# KiCad board data-center-rdimm-ddr5-tester.kicad_pcb (continued)
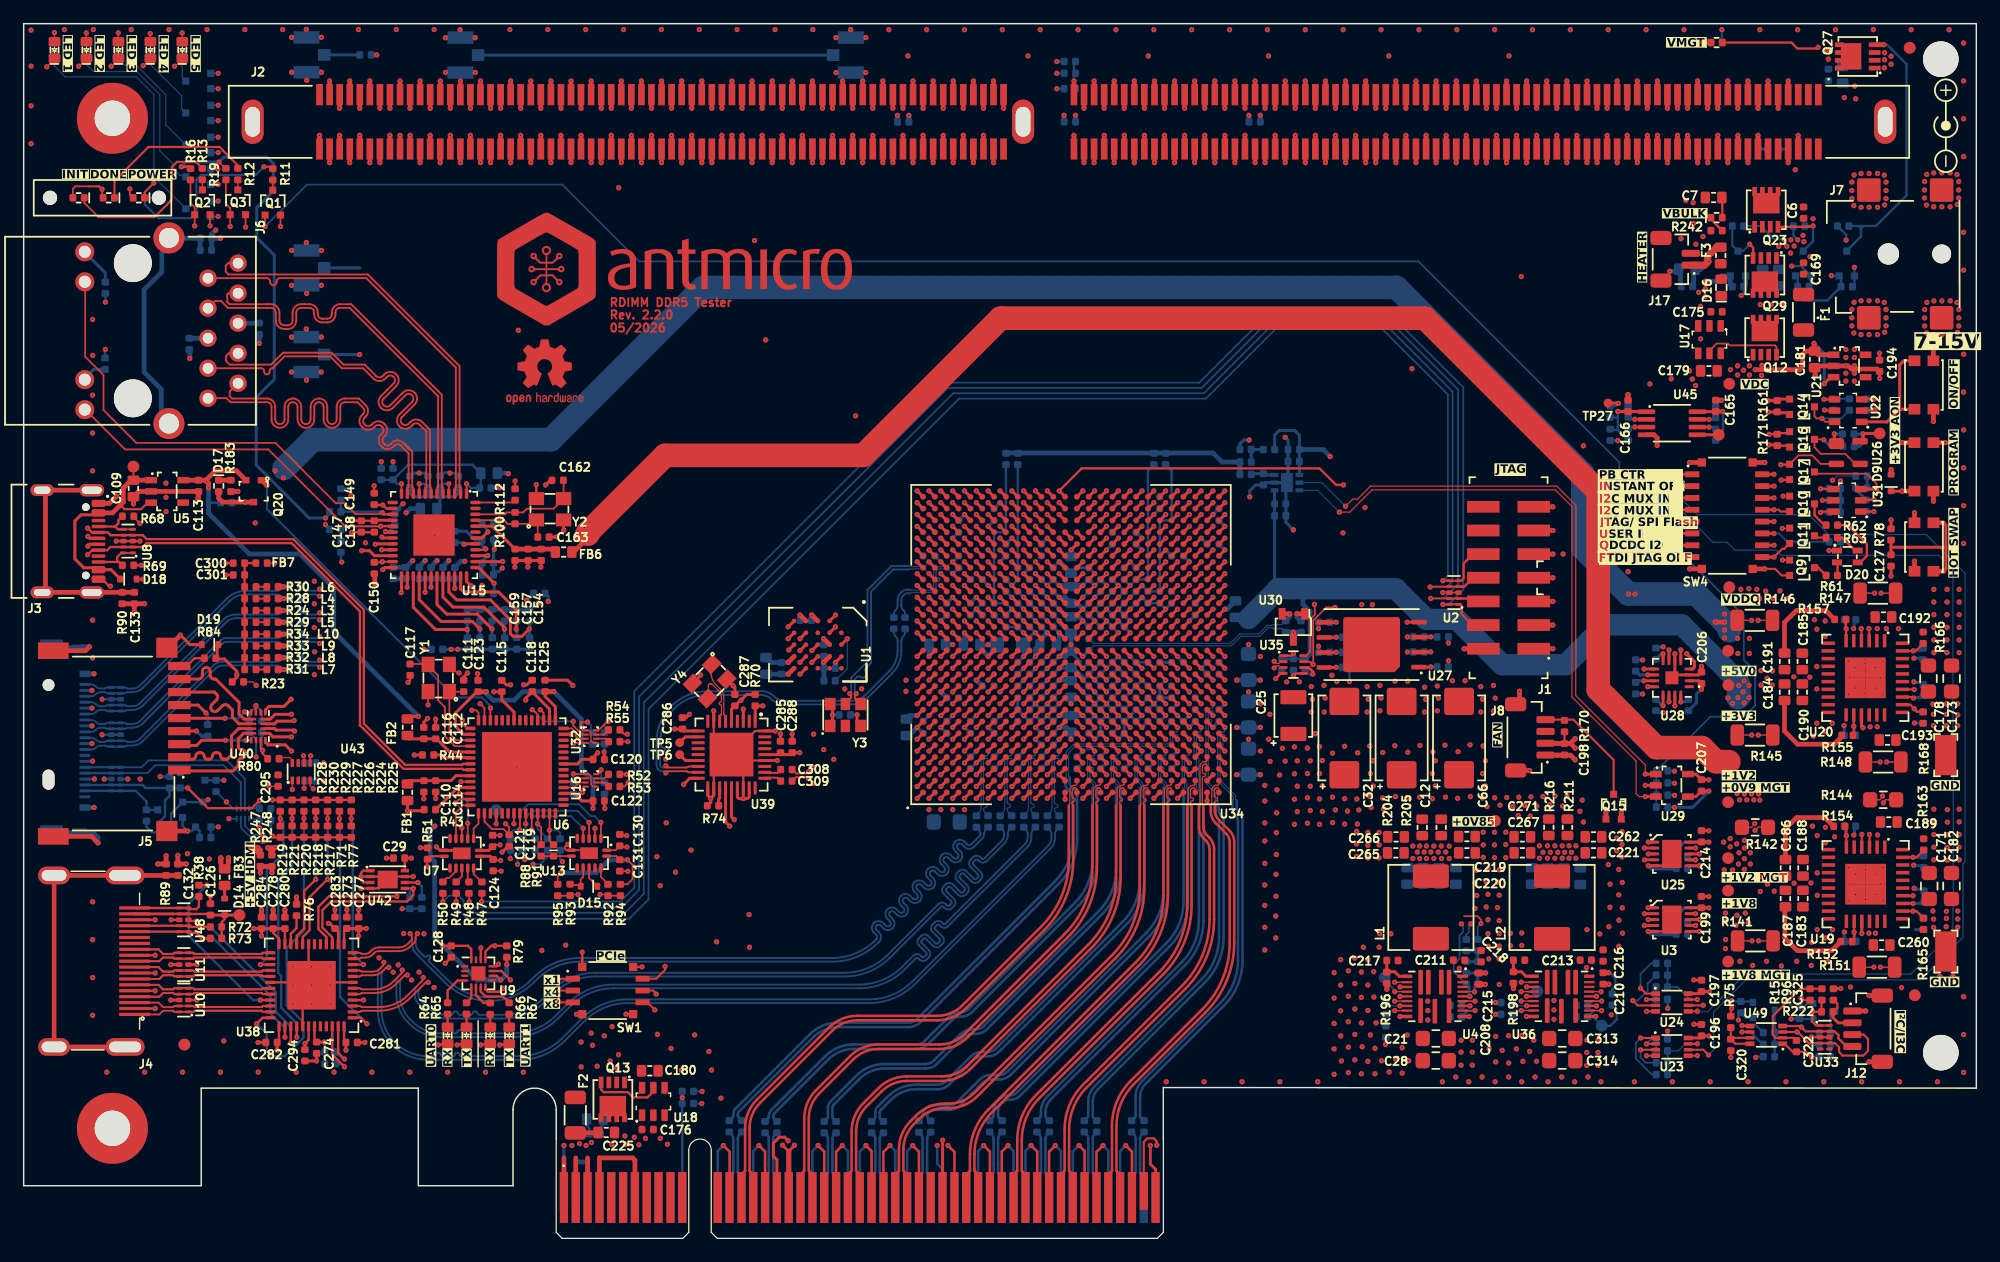
[diagram p0: board, top side]
## Routing (per net, layer and track width the routed paths; a pad name or vN(x,y) marks a point on that pad's centre or on a via; arc(x,y) is an arc through that point) (continued)
/DDR5 RDIMM/B.CB7: length 60.6
  Top w0.256: U34.P21 v1(89.5,58.2)
  Top w0.38: 69.2,92.1 v1(69.2,90.95)
  In6.Cu w0.148: 69.2,90.95 69.2,88.82 72.6,85.42 79.78,85.42 80.01,85.19 arc(80.14,84.87) 80.01,84.55 79.97,84.51 arc(79.84,84.19) 79.97,83.88 arc(80.29,83.74) 80.61,83.88 80.65,83.91 arc(80.97,84.05) 81.29,83.91 arc(81.42,83.6) 81.29,83.28 81.25,83.24 arc(81.12,82.92) 81.25,82.6 arc(81.57,82.47) 81.88,82.6 81.92,82.64 arc(82.24,82.77) 82.56,82.64 arc(82.69,82.32) 82.56,82.01 82.52,81.97 arc(82.39,81.65) 82.52,81.33 arc(82.84,81.2) 83.16,81.33 83.19,81.37 arc(83.51,81.5) 83.83,81.37 arc(83.96,81.05) 83.83,80.73 83.79,80.69 arc(83.66,80.38) 83.79,80.06 arc(84.11,79.93) 84.43,80.06 84.47,80.1 arc(84.79,80.23) 85.1,80.1 arc(85.24,79.78) 85.1,79.46 85.07,79.42 arc(84.93,79.1) 85.07,78.79 arc(85.38,78.65) 85.7,78.79 85.74,78.82 arc(86.06,78.96) 86.38,78.82 arc(86.51,78.51) 86.38,78.19 86.34,78.15 arc(86.21,77.83) 86.34,77.51 arc(86.66,77.38) 86.97,77.51 87.01,77.55 arc(87.33,77.68) 87.65,77.55 arc(87.78,77.23) 87.65,76.91 87.61,76.88 arc(87.48,76.56) 87.61,76.24 arc(87.93,76.11) 88.25,76.24 88.29,76.28 arc(88.6,76.41) 88.92,76.28 arc(89.05,75.96) 88.92,75.64 88.88,75.6 arc(88.75,75.29) 88.88,74.97 arc(89.2,74.84) 89.52,74.97 89.56,75.01 arc(89.88,75.14) 90.19,75.01 arc(90.33,74.69) 90.19,74.37 90.16,74.33 arc(90.02,74.01) 90.16,73.69 arc(90.47,73.56) 90.79,73.69 90.83,73.73 arc(91.15,73.86) 91.47,73.73 92,73.2 92,58.9 91.8,58.7 90,58.7 v1(89.5,58.2)
/DDR5 RDIMM/B.CS0_c: length 65
  Top w0.256: U34.T24 v1(91.5,61.2)
  Top w0.38: 76,96.7 v1(76,95.55)
  In9.Cu w0.1: v1(76,95.55) 76,95.55 75.5,95.05 75.5,92.62 76,92.12 76,90.45 74.6,89.05 69.4,89.05 66.4,86.05 66.4,79.95 71.7,74.65 71.7,68.3 74.5,65.5 84.36,65.5 86.01,63.85 86.01,59.98 86.29,59.7 89.33,59.7 90.33,60.7 U34.T24 v1(91.5,61.2)
/DDR5 RDIMM/B.CS1_c: length 64.8
  Top w0.256: U34.U24 v1(92.5,61.2)
  Top w0.38: J2.229 v1(75.15,90.95)
  In9.Cu w0.1: v1(75.15,90.95) 73.99,89.78 68.63,89.78 65.25,86.4 65.25,79.66 70.79,74.12 70.79,67.26 73.39,64.66 84.07,64.66 85,63.73 85,59.07 85.38,58.7 89.71,58.7 90.01,59 90.01,59.46 90.25,59.7 91.78,59.7 92,59.92 U34.U24 v1(92.5,61.2)
/DDR5 RDIMM/B.DQ0: length 75.1
  Top w0.256: U34.M21 v1(86.5,58.2)
  Top w0.38: J2.100 v1(62.4,95.55)
  In2.Cu w0.148: v1(86.5,58.2) 86.97,58.67 86.97,59.35 87.32,59.7 87.53,59.7 88.5,60.67 88.5,63.88 88.39,63.99 88.39,67.56 74.15,81.8 73.48,81.8 arc(73.15,81.66) 73.01,81.34 arc(72.88,81.01) 72.55,80.87 72.53,80.87 arc(72.2,81.01) 72.06,81.34 arc(71.93,81.66) 71.6,81.8 71.58,81.8 arc(71.25,81.66) 71.11,81.34 arc(70.98,81.01) 70.65,80.87 70.63,80.87 arc(70.3,81.01) 70.16,81.34 arc(70.03,81.66) 69.7,81.8 69.68,81.8 arc(69.35,81.66) 69.21,81.34 arc(69.08,81.01) 68.75,80.87 68.73,80.87 arc(68.4,81.01) 68.26,81.34 arc(68.13,81.66) 67.8,81.8 67.78,81.8 arc(67.45,81.66) 67.31,81.34 arc(67.18,81.01) 66.85,80.87 66.83,80.87 arc(66.5,81.01) 66.36,81.34 arc(66.23,81.66) 65.9,81.8 65.88,81.8 arc(65.55,81.66) 65.41,81.34 arc(65.28,81.01) 64.95,80.87 64.93,80.87 arc(64.6,81.01) 64.46,81.34 arc(64.33,81.66) 64,81.8 63.98,81.8 arc(63.65,81.66) 63.51,81.34 arc(63.38,81.01) 63.05,80.87 63.03,80.87 arc(62.7,81.01) 62.56,81.34 arc(62.43,81.66) 62.1,81.8 61.4,81.8 56.18,87.02 56.18,92.05 55.97,92.25 55.97,93.87 57,94.9 57,96.2 57.75,96.95 61.45,96.95 62.4,96 v1(62.4,95.55)
/DDR5 RDIMM/B.DQ1: length 75.7
  Top w0.256: U34.M20 v1(86.5,57.2)
  Top w0.38: 60.7,96.7 v1(60.7,95.55)
  In2.Cu w0.148: v1(86.5,57.2) 87,57.7 87.68,57.7 88.03,58.05 88.03,59.29 88.95,60.22 88.95,68.4 78.26,79.09 arc(78.17,79.32) 78.26,79.55 78.79,80.07 arc(78.88,80.3) 78.79,80.53 arc(78.56,80.62) 78.33,80.53 77.8,80 arc(77.58,79.91) 77.35,80 arc(77.25,80.23) 77.35,80.46 77.87,80.99 arc(77.96,81.22) 77.87,81.45 arc(77.64,81.54) 77.41,81.45 76.89,80.92 arc(76.66,80.83) 76.43,80.92 arc(76.33,81.15) 76.43,81.38 76.95,81.91 arc(77.04,82.14) 76.95,82.37 arc(76.72,82.46) 76.49,82.37 75.97,81.84 arc(75.74,81.75) 75.51,81.84 arc(75.41,82.07) 75.51,82.3 76.03,82.83 arc(76.13,83.06) 76.03,83.29 arc(75.8,83.38) 75.57,83.29 75.05,82.76 arc(74.82,82.67) 74.59,82.76 74.4,82.95 61.75,82.95 56.7,88 56.7,92.02 57.6,92.92 57.6,95.8 58,96.2 60.5,96.2 60.7,96 v1(60.7,95.55)
/DDR5 RDIMM/B.DQ2: length 72.8
  Top w0.256: U34.J19 v1(83.5,56.2)
  Top w0.38: 61.55,92.1 v1(61.55,90.95)
  In2.Cu w0.148: v1(83.5,56.2) 83,55.7 83,55.07 83.35,54.72 83.68,54.72 84.03,54.38 84.03,54.11 84.39,53.75 87.88,53.75 88.82,54.7 91.68,54.7 92.03,55.05 92.03,58.4 92.3,58.67 92.7,58.67 93,58.97 93,70.88 84.55,79.32 84.55,84.57 80.15,88.97 63.5,88.97 61.55,90.92 61.55,90.95
/DDR5 RDIMM/B.DQ3: length 74.3
  Top w0.256: U34.J20 v1(83.5,57.2)
  Top w0.38: J2.247 v1(59.85,93.25)
  In2.Cu w0.148: v1(59.85,93.25) 60.8,92.3 60.8,89.85 62.82,87.82 79.55,87.82 79.7,87.67 arc(79.79,87.46) 79.7,87.25 79.48,87.03 arc(79.4,86.82) 79.48,86.61 arc(79.7,86.52) 79.91,86.61 80.12,86.83 arc(80.34,86.91) 80.55,86.83 83.32,84.05 83.32,79.2 92,70.52 92,58.97 91.75,58.72 91.2,58.72 91.03,58.55 91.03,55.96 90.82,55.75 89.03,55.75 87.97,54.7 84.35,54.7 84.03,55.02 84.03,56.68 v1(83.5,57.2)
/DDR5 RDIMM/B.DQ4: length 75.7
  Top w0.256: U34.K21 v1(84.5,58.2)
  Top w0.38: 56.45,96.7 v1(56.45,95.55)
  In2.Cu w0.148: v1(56.45,95.55) 55.3,94.4 55.3,92.3 55,92 55,89.7 54.5,89.2 54.5,84.2 60.75,77.95 75.35,77.95 77.15,76.15 arc(77.27,75.85) 77.15,75.55 74.87,73.26 arc(74.74,72.96) 74.87,72.66 arc(75.17,72.54) 75.47,72.66 77.75,74.95 arc(78.05,75.07) 78.35,74.95 arc(78.48,74.65) 78.35,74.35 77.09,73.09 arc(76.97,72.79) 77.09,72.49 arc(77.39,72.36) 77.69,72.49 78.95,73.75 arc(79.25,73.87) 79.55,73.75 87,66.3 87,61.14 86.56,60.7 85.44,60.7 85,60.26 85,59.1 84.5,58.6 v1(84.5,58.2)
/DDR5 RDIMM/B.DQ5: length 75.7
  Top w0.256: U34.K20 v1(84.5,57.2)
  Top w0.38: J2.109 v1(54.75,95.55)
  In2.Cu w0.148: v1(84.5,57.2) 83.95,57.75 83.95,60.21 84.54,60.8 84.67,60.8 85,61.14 85,62.3 85.5,62.8 85.7,62.8 86,63.1 86,66.01 80.36,71.66 74.59,71.66 73.48,72.77 arc(73.36,73.07) 73.48,73.37 74.72,74.6 arc(74.84,74.91) 74.72,75.21 arc(74.42,75.33) 74.12,75.21 72.88,73.97 arc(72.58,73.85) 72.28,73.97 arc(72.15,74.27) 72.28,74.57 73.51,75.81 arc(73.64,76.11) 73.51,76.41 arc(73.21,76.53) 72.91,76.41 71.68,75.17 arc(71.38,75.05) 71.08,75.17 arc(70.95,75.47) 71.08,75.77 71.5,76.2 arc(71.62,76.5) 71.5,76.8 arc(71.2,76.92) 70.9,76.8 70.48,76.37 arc(70.18,76.25) 69.88,76.37 69.6,76.65 60.15,76.65 53.5,83.3 53.5,89.2 54.3,90 54.3,92.05 54,92.35 54,94.8 54.75,95.55
/DDR5 RDIMM/B.DQ6: length 75.6
  Top w0.256: U34.L20 v1(85.5,57.2)
  Top w0.38: J2.252 v1(55.6,90.95)
  In2.Cu w0.148: v1(85.5,57.2) 85,57.7 85,58.3 85.4,58.7 85.7,58.7 86,59 86,59.5 86.2,59.7 86.7,59.7 88.05,61.05 88.05,63.57 87.75,63.88 87.75,66.95 74.85,79.85 74.5,79.85 arc(74.23,79.74) 74.12,79.47 74.12,79.22 arc(74.02,78.96) 73.75,78.85 arc(73.48,78.96) 73.38,79.22 73.38,79.47 arc(73.27,79.74) 73,79.85 arc(72.73,79.74) 72.62,79.47 72.62,79.22 arc(72.52,78.96) 72.25,78.85 arc(71.98,78.96) 71.88,79.22 71.88,79.47 arc(71.77,79.74) 71.5,79.85 arc(71.23,79.74) 71.12,79.47 71.12,79.22 arc(71.02,78.96) 70.75,78.85 arc(70.48,78.96) 70.38,79.22 70.38,79.47 arc(70.27,79.74) 70,79.85 arc(69.73,79.74) 69.62,79.47 69.62,79.22 arc(69.52,78.96) 69.25,78.85 arc(68.98,78.96) 68.88,79.22 68.88,79.47 arc(68.77,79.74) 68.5,79.85 arc(68.23,79.74) 68.12,79.47 68.12,79.22 arc(68.02,78.96) 67.75,78.85 arc(67.48,78.96) 67.38,79.22 67.38,79.47 arc(67.27,79.74) 67,79.85 arc(66.73,79.74) 66.62,79.47 66.62,79.22 arc(66.52,78.96) 66.25,78.85 arc(65.98,78.96) 65.88,79.22 65.88,79.47 arc(65.77,79.74) 65.5,79.85 arc(65.23,79.74) 65.12,79.47 65.12,79.22 arc(65.02,78.96) 64.75,78.85 arc(64.48,78.96) 64.38,79.22 64.38,79.47 arc(64.27,79.74) 64,79.85 arc(63.73,79.74) 63.62,79.47 63.62,79.22 arc(63.52,78.96) 63.25,78.85 arc(62.98,78.96) 62.88,79.22 62.88,79.47 arc(62.77,79.74) 62.5,79.85 61.65,79.85 61.35,80.15 arc(61.08,80.26) 60.82,80.15 60.69,80.03 arc(60.43,79.92) 60.16,80.03 arc(60.05,80.29) 60.16,80.56 60.29,80.68 arc(60.4,80.95) 60.29,81.21 arc(60.02,81.32) 59.76,81.21 59.63,81.09 arc(59.37,80.98) 59.1,81.09 arc(58.99,81.35) 59.1,81.62 59.23,81.74 arc(59.34,82.01) 59.23,82.27 arc(58.96,82.38) 58.7,82.27 58.57,82.15 arc(58.31,82.04) 58.04,82.15 arc(57.93,82.41) 58.04,82.68 58.17,82.8 arc(58.28,83.07) 58.17,83.33 arc(57.9,83.44) 57.64,83.33 57.51,83.21 arc(57.25,83.1) 56.98,83.21 arc(56.87,83.47) 56.98,83.74 57.11,83.86 arc(57.22,84.13) 57.11,84.39 arc(56.84,84.5) 56.58,84.39 56.45,84.27 arc(56.19,84.16) 55.92,84.27 arc(55.81,84.53) 55.92,84.8 56.05,84.92 arc(56.16,85.19) 56.05,85.45 55.6,85.9 55.6,90.95
/DDR5 RDIMM/B.DQ7: length 75.5
  Top w0.256: U34.J21 v1(83.5,58.2)
  Top w0.38: 53.9,92.1 v1(53.9,90.95)
  In2.Cu w0.148: v1(83.5,58.2) 83,58.7 83,60.3 83.5,60.8 83.75,60.8 84,61.05 84,62.32 84.38,62.7 84.7,62.7 85,63 85,65.67 80.44,70.24 73.91,70.24 68.75,75.4 63.9,75.4 arc(63.55,75.25) 63.4,74.9 63.4,71.5 arc(63.25,71.14) 62.9,71 arc(62.55,71.14) 62.4,71.5 62.4,74.9 arc(62.25,75.25) 61.9,75.4 arc(61.55,75.25) 61.4,74.9 61.4,71.5 arc(61.25,71.14) 60.9,71 arc(60.55,71.14) 60.4,71.5 60.4,74.9 arc(60.25,75.25) 59.9,75.4 59.65,75.4 52,83.05 52,89.05 53.9,90.95
/DDR5 RDIMM/B.DQ8: length 70.8
  Top w0.256: U34.M26 v1(86.5,63.2)
  Top w0.38: 53.05,96.7 v1(53.05,95.55)
  In6.Cu w0.148: v1(86.5,63.2) 86.5,66.2 85.03,67.67 70.28,67.67 69.47,66.88 65.8,66.88 60.57,72.1 60.57,74.4 arc(60.7,74.71) 61.01,74.84 arc(61.32,74.97) 61.45,75.27 61.45,75.3 arc(61.32,75.61) 61.01,75.74 arc(60.7,75.87) 60.57,76.17 60.57,76.2 arc(60.7,76.51) 61.01,76.64 arc(61.32,76.77) 61.45,77.07 61.45,77.1 arc(61.32,77.41) 61.01,77.54 arc(60.7,77.67) 60.57,77.97 60.57,78 arc(60.7,78.31) 61.01,78.44 arc(61.32,78.57) 61.45,78.87 61.45,78.9 arc(61.32,79.21) 61.01,79.34 arc(60.7,79.47) 60.57,79.77 60.57,91.7 61.5,92.62 61.5,95.95 60.7,96.75 53.62,96.75 53.05,96.17 v1(53.05,95.55)
/DDR5 RDIMM/B.DQ9: length 70.7
  Top w0.256: U34.M25 v1(86.5,62.2)
  Top w0.38: J2.113 v1(51.35,95.55)
  In6.Cu w0.148: 51.35,95.55 52.55,94.35 56.74,94.35 59.28,91.81 59.28,90.2 arc(59.15,89.9) 58.84,89.77 arc(58.54,89.64) 58.41,89.34 58.41,88.85 arc(58.54,88.55) 58.84,88.42 arc(59.15,88.29) 59.28,87.99 59.28,87.5 arc(59.15,87.2) 58.84,87.07 arc(58.54,86.94) 58.41,86.64 58.41,86.15 arc(58.54,85.85) 58.84,85.72 arc(59.15,85.59) 59.28,85.29 59.28,84.8 arc(59.15,84.5) 58.84,84.37 arc(58.54,84.24) 58.41,83.94 58.41,83.45 arc(58.54,83.15) 58.84,83.02 arc(59.15,82.89) 59.28,82.59 59.28,82.1 arc(59.15,81.8) 58.84,81.67 arc(58.54,81.54) 58.41,81.24 58.41,80.75 arc(58.54,80.45) 58.84,80.32 arc(59.15,80.19) 59.28,79.89 59.28,79.4 arc(59.15,79.1) 58.84,78.97 arc(58.54,78.84) 58.41,78.54 58.41,78.05 arc(58.54,77.75) 58.84,77.62 arc(59.15,77.49) 59.28,77.19 59.28,76.7 arc(59.15,76.4) 58.84,76.27 arc(58.54,76.14) 58.41,75.84 58.41,75.35 arc(58.54,75.05) 58.84,74.92 arc(59.15,74.79) 59.28,74.49 59.28,71.97 65.28,65.97 70.5,65.97 71.32,66.8 84.75,66.8 86,65.55 86,63.1 86.5,62.6 v1(86.5,62.2)
/DDR5 RDIMM/B.DQ10: length 69.3
  Top w0.256: U34.K26 v1(84.5,63.2)
  Top w0.38: J2.256 v1(52.2,90.95)
  In6.Cu w0.148: v1(84.5,63.2) 84.5,64.2 83.75,64.95 73.25,64.95 72.25,63.95 63.55,63.95 54.04,73.46 54.04,74.56 arc(54.18,74.9) 54.51,75.03 55.28,75.03 arc(55.62,75.17) 55.76,75.51 arc(55.62,75.85) 55.28,75.98 54.51,75.98 arc(54.18,76.12) 54.04,76.46 arc(54.18,76.8) 54.51,76.93 55.28,76.93 arc(55.62,77.07) 55.76,77.41 arc(55.62,77.75) 55.28,77.88 54.51,77.88 arc(54.18,78.02) 54.04,78.36 arc(54.18,78.7) 54.51,78.83 55.28,78.83 arc(55.62,78.97) 55.76,79.31 arc(55.62,79.65) 55.28,79.78 54.51,79.78 arc(54.18,79.92) 54.04,80.26 arc(54.18,80.6) 54.51,80.73 55.28,80.73 arc(55.62,80.87) 55.76,81.21 arc(55.62,81.55) 55.28,81.68 54.51,81.68 arc(54.18,81.82) 54.04,82.16 arc(54.18,82.5) 54.51,82.63 55.28,82.63 arc(55.62,82.77) 55.76,83.11 arc(55.62,83.45) 55.28,83.58 54.51,83.58 arc(54.18,83.72) 54.04,84.06 54.04,89.11 52.2,90.95
/DDR5 RDIMM/B.DQ11: length 69.5
  Top w0.256: U34.K25 v1(84.5,62.2)
  Top w0.38: J2.258 v1(50.5,90.95)
  In6.Cu w0.148: v1(84.5,62.2) 84,62.7 84,63.7 83.65,64.05 73.78,64.05 72.68,62.95 62.93,62.95 52.76,73.11 52.76,83.03 arc(52.63,83.35) 52.31,83.48 51.15,83.48 arc(50.83,83.61) 50.7,83.93 arc(50.83,84.25) 51.15,84.38 52.31,84.38 arc(52.63,84.51) 52.76,84.83 arc(52.63,85.15) 52.31,85.28 51.15,85.28 arc(50.83,85.41) 50.7,85.73 arc(50.83,86.05) 51.15,86.18 52.31,86.18 arc(52.63,86.31) 52.76,86.63 arc(52.63,86.95) 52.31,87.08 51.15,87.08 arc(50.83,87.21) 50.7,87.53 arc(50.83,87.85) 51.15,87.98 52.31,87.98 arc(52.63,88.11) 52.76,88.43 52.76,88.69 51.85,89.6 arc(51.64,89.69) 51.43,89.6 51.31,89.49 arc(51.1,89.4) 50.89,89.49 arc(50.8,89.7) 50.89,89.92 51,90.03 arc(51.09,90.24) 51,90.45 50.5,90.95
/DDR5 RDIMM/B.DQ12: length 71.9
  Top w0.256: U34.J24 v1(83.5,61.2)
  Top w0.38: J2.118 v1(47.1,95.55)
  In6.Cu w0.148: 47.1,95.55 47.1,94.77 47.85,94.02 47.85,92.52 47.1,91.77 47.1,88.32 48.06,87.36 48.06,87 arc(47.94,86.7) 47.63,86.57 47.62,86.57 arc(47.32,86.45) 47.2,86.15 arc(47.32,85.85) 47.62,85.72 47.63,85.72 arc(47.94,85.6) 48.06,85.3 arc(47.94,85) 47.63,84.87 47.62,84.87 arc(47.32,84.75) 47.2,84.45 arc(47.32,84.15) 47.62,84.02 47.63,84.02 arc(47.94,83.9) 48.06,83.6 arc(47.94,83.3) 47.63,83.17 47.62,83.17 arc(47.32,83.05) 47.2,82.75 arc(47.32,82.45) 47.62,82.32 47.63,82.32 arc(47.94,82.2) 48.06,81.9 arc(47.94,81.6) 47.63,81.47 47.62,81.47 arc(47.32,81.35) 47.2,81.05 arc(47.32,80.75) 47.62,80.62 47.63,80.62 arc(47.94,80.5) 48.06,80.2 arc(47.94,79.9) 47.63,79.77 47.62,79.77 arc(47.32,79.65) 47.2,79.35 arc(47.32,79.05) 47.62,78.92 47.63,78.92 arc(47.94,78.8) 48.06,78.5 arc(47.94,78.2) 47.63,78.07 47.62,78.07 arc(47.32,77.95) 47.2,77.65 arc(47.32,77.35) 47.62,77.22 47.63,77.22 arc(47.94,77.1) 48.06,76.8 48.06,76.58 50.23,74.41 50.23,71.24 60.78,60.7 83,60.7 v1(83.5,61.2)
/DDR5 RDIMM/B.DQ13: length 71.7
  Top w0.256: U34.K23 v1(84.5,60.2)
  Top w0.38: 45.4,96.7 v1(45.4,95.55)
  In6.Cu w0.148: v1(84.5,60.2) 83.9,59.6 83.9,59.03 83.56,58.7 59.18,58.7 44.95,72.92 44.95,89.8 45.35,90.2 45.35,91.57 44.55,92.37 44.55,93.82 45.4,94.67 45.4,95.55
/DDR5 RDIMM/B.DQ14: length 71.8
  Top w0.256: U34.J23 v1(83.5,60.2)
  Top w0.38: J2.263 v1(46.25,90.95)
  In6.Cu w0.148: 46.25,90.95 46.25,76.77 arc(46.35,76.52) 46.6,76.42 47.05,76.42 arc(47.3,76.32) 47.4,76.07 arc(47.3,75.82) 47.05,75.72 46.6,75.72 arc(46.35,75.62) 46.25,75.37 arc(46.35,75.12) 46.6,75.02 47.05,75.02 arc(47.3,74.92) 47.4,74.67 arc(47.3,74.42) 47.05,74.32 46.6,74.32 arc(46.35,74.22) 46.25,73.97 46.25,73.4 46.5,73.14 arc(46.81,73.02) 47.11,73.15 47.11,73.14 48.34,74.38 arc(48.64,74.51) 48.94,74.38 arc(49.07,74.08) 48.94,73.78 48.83,73.66 arc(48.72,73.42) 48.83,73.17 49.04,72.96 arc(49.14,72.71) 49.04,72.46 arc(48.79,72.36) 48.54,72.46 48.33,72.67 arc(48.08,72.78) 47.84,72.67 47.71,72.54 arc(47.58,72.24) 47.71,71.94 59.95,59.7 83,59.7 v1(83.5,60.2)
/DDR5 RDIMM/B.DQ15: length 71.6
  Top w0.256: U34.K22 v1(84.5,59.2)
  Top w0.38: 44.55,92.1 v1(44.55,90.95)
  In6.Cu w0.148: 44.55,90.95 42.68,89.08 42.68,88.45 arc(42.8,88.14) 43.11,88.01 arc(43.42,87.89) 43.55,87.58 43.55,84.95 arc(43.42,84.64) 43.11,84.51 arc(42.8,84.39) 42.68,84.08 42.68,81.45 arc(42.8,81.14) 43.11,81.01 arc(43.42,80.89) 43.55,80.58 43.55,77.95 arc(43.42,77.64) 43.11,77.51 arc(42.8,77.39) 42.68,77.08 42.68,73.4 58.38,57.7 83.8,57.7 84,57.9 84,58.4 84.5,58.9 v1(84.5,59.2)
/DDR5 RDIMM/B.DQ16: length 74.3
  Top w0.256: U34.H23 v1(82.5,60.2)
  Top w0.38: J2.122 v1(43.7,95.55)
  In4.Cu w0.148: v1(43.7,95.55) 44.69,94.56 44.69,92.64 45.47,91.85 45.47,90.2 46.32,89.35 74.59,89.35 86,77.94 86,60.95 85.75,60.7 83,60.7 v1(82.5,60.2)
/DDR5 RDIMM/B.DQ17: length 70.4
  Top w0.256: U34.J25 v1(83.5,62.2)
  Top w0.38: J2.124 v1(42,95.55)
  In4.Cu w0.148: v1(42,95.55) 42.57,94.97 42.57,92.2 42,91.62 42,90.4 45.87,86.53 57.61,86.53 arc(57.78,86.6) 57.85,86.77 arc(57.92,86.94) 58.09,87.01 59.56,87.01 arc(59.73,86.94) 59.8,86.77 arc(59.87,86.6) 60.04,86.53 61.2,86.53 61.77,87.1 72.43,87.1 84.05,75.48 84.05,62.55 83.7,62.2 v1(83.5,62.2)
/DDR5 RDIMM/B.DQ18: length 74.3
  Top w0.256: U34.H24 v1(82.5,61.2)
  Top w0.38: J2.267 v1(42.85,90.95)
  In4.Cu w0.148: v1(42.85,90.95) 42.85,91.48 43.24,91.86 43.47,91.86 43.76,91.58 43.76,90.28 46.36,87.68 47.04,87.68 arc(47.32,87.8) 47.44,88.08 47.44,88.09 arc(47.56,88.37) 47.84,88.49 arc(48.12,88.37) 48.24,88.09 48.24,88.08 arc(48.36,87.8) 48.64,87.68 arc(48.92,87.8) 49.04,88.08 49.04,88.09 arc(49.16,88.37) 49.44,88.49 arc(49.72,88.37) 49.84,88.09 49.84,88.08 arc(49.96,87.8) 50.24,87.68 arc(50.52,87.8) 50.64,88.08 50.64,88.09 arc(50.76,88.37) 51.04,88.49 arc(51.32,88.37) 51.44,88.09 51.44,88.08 arc(51.56,87.8) 51.84,87.68 arc(52.12,87.8) 52.24,88.08 52.24,88.09 arc(52.36,88.37) 52.64,88.49 arc(52.92,88.37) 53.04,88.09 53.04,88.08 arc(53.16,87.8) 53.44,87.68 arc(53.72,87.8) 53.84,88.08 53.84,88.09 arc(53.96,88.37) 54.24,88.49 arc(54.52,88.37) 54.64,88.09 54.64,88.08 arc(54.76,87.8) 55.04,87.68 56.08,87.68 56.6,88.2 73.37,88.2 85,76.57 85,61.9 84.75,61.65 83.3,61.65 82.85,61.2 v1(82.5,61.2)
/DDR5 RDIMM/B.DQ19: length 70.4
  Top w0.256: U34.J26 v1(83.5,63.2)
  Top w0.38: 41.15,92.1 v1(41.15,90.95)
  In4.Cu w0.148: v1(83.5,63.2) 83.5,73.92 72.34,85.08 71.2,85.08 arc(70.88,85.21) 70.75,85.53 70.75,85.8 arc(70.62,86.12) 70.3,86.25 arc(69.98,86.12) 69.85,85.8 69.85,85.53 arc(69.72,85.21) 69.4,85.08 arc(69.08,85.21) 68.95,85.53 68.95,85.8 arc(68.82,86.12) 68.5,86.25 arc(68.18,86.12) 68.05,85.8 68.05,85.53 arc(67.92,85.21) 67.6,85.08 arc(67.28,85.21) 67.15,85.53 67.15,85.8 arc(67.02,86.12) 66.7,86.25 arc(66.38,86.12) 66.25,85.8 66.25,85.53 arc(66.12,85.21) 65.8,85.08 arc(65.48,85.21) 65.35,85.53 65.35,85.8 arc(65.22,86.12) 64.9,86.25 arc(64.58,86.12) 64.45,85.8 64.45,85.53 arc(64.32,85.21) 64,85.08 arc(63.68,85.21) 63.55,85.53 63.55,85.8 arc(63.42,86.12) 63.1,86.25 arc(62.78,86.12) 62.65,85.8 62.65,85.53 arc(62.52,85.21) 62.2,85.08 46.12,85.08 41.15,90.05 v1(41.15,90.95)
/DDR5 RDIMM/B.DQ20: length 71.2
  Top w0.256: U34.G26 v1(81.5,63.2)
  Top w0.38: J2.129 v1(37.75,95.55)
  In4.Cu w0.148: 37.75,95.55 37.75,93.92 39.95,91.72 39.95,88.45 47.53,80.87 48.03,80.87 arc(48.43,81.04) 48.6,81.45 48.6,81.49 arc(48.77,81.9) 49.18,82.06 arc(49.58,81.9) 49.75,81.49 49.75,81.45 arc(49.92,81.04) 50.32,80.87 arc(50.73,81.04) 50.9,81.45 50.9,81.49 arc(51.07,81.9) 51.47,82.06 arc(51.88,81.9) 52.05,81.49 52.05,81.45 arc(52.22,81.04) 52.62,80.87 arc(53.03,81.04) 53.2,81.45 53.2,81.49 arc(53.37,81.9) 53.78,82.06 arc(54.18,81.9) 54.35,81.49 54.35,81.45 arc(54.52,81.04) 54.93,80.87 59.72,80.87 60.82,81.98 69.95,81.98 81.21,70.72 81.21,63.49 v1(81.5,63.2)
/DDR5 RDIMM/B.DQ21: length 74.4
  Top w0.256: U34.H22 v1(82.5,59.2)
  Top w0.38: 36.05,96.7 v1(36.05,95.55)
  In4.Cu w0.148: v1(82.5,59.2) 82,59.7 78.35,59.7 78,60.05 78,66.79 67.85,76.94 61.97,76.94 60.78,75.75 46.55,75.75 36.05,86.25 36.05,91.92 36.8,92.67 36.8,94.47 36.05,95.22 v1(36.05,95.55)
/DDR5 RDIMM/B.DQ22: length 70.9
  Top w0.256: U34.H26 v1(82.5,63.2)
  Top w0.38: 36.9,92.1 v1(36.9,90.95)
  In4.Cu w0.148: v1(82.5,63.2) 82,62.7 81.35,62.7 81,62.35 81,60.95 80.75,60.7 79.3,60.7 79,61 79,67.72 68.21,78.51 61.5,78.51 60,77 47.3,77 36.9,87.4 36.9,87.7 arc(37,87.93) 37.22,88.02 37.3,88.02 arc(37.53,88.12) 37.63,88.35 arc(37.53,88.58) 37.3,88.67 37.22,88.67 arc(37,88.77) 36.9,89 arc(37,89.23) 37.22,89.32 37.3,89.32 arc(37.53,89.42) 37.63,89.65 arc(37.53,89.88) 37.3,89.97 37.22,89.97 arc(37,90.07) 36.9,90.3 v1(36.9,90.95)
/DDR5 RDIMM/B.DQ23: length 74.2
  Top w0.256: U34.H21 v1(82.5,58.2)
  Top w0.38: J2.276 v1(35.2,90.95)
  In4.Cu w0.148: v1(82.5,58.2) 82,58.7 77.25,58.7 77,58.95 77,66.15 67.84,75.31 62.9,75.31 61.39,73.8 60.55,73.8 arc(60.29,73.91) 60.18,74.17 arc(60.07,74.43) 59.81,74.54 58.2,74.54 arc(57.94,74.43) 57.83,74.17 arc(57.72,73.91) 57.46,73.8 55.85,73.8 arc(55.59,73.91) 55.48,74.17 arc(55.37,74.43) 55.11,74.54 53.5,74.54 arc(53.24,74.43) 53.13,74.17 arc(53.02,73.91) 52.76,73.8 51.15,73.8 arc(50.89,73.91) 50.78,74.17 arc(50.67,74.43) 50.41,74.54 48.8,74.54 arc(48.54,74.43) 48.43,74.17 arc(48.32,73.91) 48.06,73.8 46.41,73.8 35.2,85.01 v1(35.2,90.95)
/DDR5 RDIMM/B.DQ24: length 77
  Top w0.256: U34.F23 v1(80.5,60.2)
  Top w0.38: J2.133 v1(34.35,95.55)
  In2.Cu w0.148: v1(80.5,60.2) 80.85,60.2 81.32,60.67 81.68,60.67 82.03,61.02 82.03,61.33 82.5,61.8 82.88,61.8 83.05,61.97 83.05,62.45 83.32,62.72 83.7,62.72 84,63.02 84,65.4 80.45,68.95 59.75,68.95 58.25,70.45 58.25,71.65 48.45,81.45 48.45,82.8 42.8,88.45 arc(42.5,88.57) 42.2,88.45 42.03,88.28 arc(41.73,88.15) 41.43,88.28 arc(41.3,88.58) 41.43,88.88 41.6,89.05 arc(41.72,89.35) 41.6,89.65 arc(41.3,89.78) 41,89.65 40.82,89.48 arc(40.52,89.35) 40.22,89.48 arc(40.1,89.78) 40.22,90.08 40.4,90.25 arc(40.52,90.55) 40.4,90.85 39.05,92.2 35.85,92.2 35.28,92.77 35.28,94.62 v1(34.35,95.55)
/DDR5 RDIMM/B.DQ25: length 74.9
  Top w0.256: U34.D24 v1(78.5,61.2)
  Top w0.38: 32.65,96.7 v1(32.65,95.55)
  In2.Cu w0.148: v1(78.5,61.2) U34.D24 79.62,60.7 80.03,61.1 80.03,61.4 80.38,61.75 80.78,61.75 81,61.97 81,62.38 81.38,62.75 81.73,62.75 81.97,62.99 81.97,65.22 79.95,67.25 57.65,67.25 55.97,68.92 55.97,70.17 37.55,88.6 34.55,88.6 33,90.15 33,91.42 33.25,91.67 33.25,94.95 v1(32.65,95.55)
/DDR5 RDIMM/B.DQ26: length 77.2
  Top w0.256: U34.E23 v1(79.5,60.2)
  Top w0.38: J2.278 v1(33.5,90.95)
  In2.Cu w0.148: v1(79.5,60.2) 79.94,60.2 80.44,60.7 80.7,60.7 81.05,61.05 81.05,61.47 81.38,61.8 81.85,61.8 82.1,62.05 82.1,62.5 82.3,62.7 82.7,62.7 83,63 83,65.25 80.2,68.05 58.8,68.05 57.05,69.8 57.05,71 46.78,81.27 arc(46.64,81.62) 46.78,81.98 47,82.2 arc(47.15,82.55) 47,82.9 arc(46.65,83.05) 46.3,82.9 46.07,82.68 arc(45.72,82.54) 45.37,82.68 arc(45.22,83.04) 45.37,83.39 45.59,83.61 arc(45.73,83.96) 45.59,84.32 arc(45.23,84.46) 44.88,84.32 44.66,84.1 arc(44.31,83.95) 43.95,84.1 arc(43.81,84.45) 43.95,84.8 44.17,85.02 arc(44.32,85.38) 44.17,85.73 arc(43.82,85.88) 43.47,85.73 43.25,85.51 arc(42.89,85.36) 42.54,85.51 arc(42.39,85.86) 42.54,86.22 42.76,86.44 arc(42.91,86.79) 42.76,87.15 arc(42.41,87.29) 42.05,87.15 41.83,86.92 41.83,86.93 arc(41.48,86.78) 41.12,86.92 38.3,89.75 34.7,89.75 v1(33.5,90.95)
/DDR5 RDIMM/B.DQ27: length 74.7
  Top w0.256: U34.D25 v1(78.5,62.2)
  Top w0.38: J2.280 v1(31.8,93.25)
  In2.Cu w0.148: v1(31.8,93.25) 32.5,92.56 32.5,89.3 34.25,87.55 36.8,87.55 37.05,87.3 arc(37.17,87) 37.05,86.7 36.71,86.35 arc(36.58,86.05) 36.71,85.75 arc(37.01,85.63) 37.31,85.75 37.65,86.1 arc(37.95,86.22) 38.25,86.1 arc(38.38,85.8) 38.25,85.5 37.91,85.15 arc(37.78,84.85) 37.91,84.55 arc(38.21,84.43) 38.51,84.55 38.85,84.9 arc(39.15,85.02) 39.45,84.9 54.8,69.55 54.8,68.1 56.55,66.35 79.65,66.35 81,65 81,62.97 80.68,62.65 80.39,62.65 80.1,62.37 80.1,62.15 79.75,61.8 78.9,61.8 v1(78.5,62.2)
/DDR5 RDIMM/B.DQ28: length 73.4
  Top w0.256: U34.B26 v1(76.5,63.2)
  Top w0.38: 28.4,96.7 v1(28.4,95.55)
  In2.Cu w0.148: v1(76.5,63.2) 76.1,63.2 75.6,62.7 54.5,62.7 33.25,83.95 32.8,83.95 29.65,87.1 29.65,89.5 28.4,90.75 28.4,92.1 27.65,92.85 27.65,93.65 arc(27.77,93.95) 28.07,94.07 28.74,94.07 arc(29.04,94.2) 29.16,94.5 arc(29.04,94.8) 28.74,94.92 28.07,94.92 arc(27.77,95.05) 27.65,95.35 27.65,96.5 27.85,96.7 28.2,96.7 28.4,96.5 v1(28.4,95.55)
/DDR5 RDIMM/B.DQ29: length 73.4
  Top w0.256: U34.B25 v1(76.5,62.2)
  Top w0.38: J2.142 v1(26.7,95.55)
  In2.Cu w0.148: v1(26.7,95.55) 26,95.55 25.8,95.35 25.8,92.47 26.7,91.57 26.7,86.75 52.75,60.7 75.7,60.7 76.05,61.05 76.05,61.42 76.5,61.88 v1(76.5,62.2)
/DDR5 RDIMM/B.DQ30: length 73.3
  Top w0.256: U34.C26 v1(77.5,63.2)
  Top w0.38: 27.55,92.1 v1(27.55,90.95)
  In2.Cu w0.148: v1(77.5,63.2) 77.18,63.2 76.68,62.7 76.3,62.7 76,62.4 76,61.92 75.78,61.7 53.35,61.7 52.23,62.82 arc(52.14,63.04) 52.23,63.27 arc(52.32,63.49) 52.23,63.71 51.55,64.4 arc(51.32,64.49) 51.1,64.4 arc(50.88,64.31) 50.65,64.4 49.97,65.08 arc(49.87,65.31) 49.97,65.53 arc(50.06,65.75) 49.97,65.98 49.28,66.66 arc(49.06,66.75) 48.84,66.66 arc(48.61,66.57) 48.39,66.66 47.7,67.35 arc(47.61,67.57) 47.7,67.79 arc(47.8,68.02) 47.7,68.24 47.02,68.92 arc(46.8,69.02) 46.57,68.92 arc(46.35,68.83) 46.13,68.92 45.44,69.61 arc(45.35,69.83) 45.44,70.05 arc(45.53,70.28) 45.44,70.5 44.76,71.19 arc(44.53,71.28) 44.31,71.19 arc(44.09,71.09) 43.86,71.19 43.18,71.87 arc(43.09,72.09) 43.18,72.32 arc(43.27,72.54) 43.18,72.76 42.49,73.45 arc(42.27,73.54) 42.05,73.45 arc(41.82,73.36) 41.6,73.45 40.92,74.13 arc(40.82,74.36) 40.92,74.58 arc(41.01,74.8) 40.92,75.03 40.23,75.71 arc(40.01,75.8) 39.79,75.71 arc(39.56,75.62) 39.34,75.71 38.65,76.4 arc(38.56,76.62) 38.65,76.84 arc(38.75,77.07) 38.65,77.29 37.97,77.97 arc(37.75,78.07) 37.52,77.97 arc(37.3,77.88) 37.08,77.97 36.39,78.66 arc(36.3,78.88) 36.39,79.11 arc(36.48,79.33) 36.39,79.55 35.71,80.24 arc(35.48,80.33) 35.26,80.24 arc(35.04,80.14) 34.81,80.24 34.13,80.92 arc(34.04,81.15) 34.13,81.37 arc(34.22,81.59) 34.13,81.82 33.44,82.5 arc(33.22,82.59) 33,82.5 arc(32.77,82.41) 32.55,82.5 28.3,86.75 28.3,88.2 27.55,88.95 v1(27.55,90.95)
/DDR5 RDIMM/B.DQ31: length 73.1
  Top w0.256: U34.D26 v1(78.5,63.2)
  Top w0.38: J2.287 v1(25.85,90.95)
  In2.Cu w0.148: v1(78.5,63.2) 78.15,63.2 77.65,62.7 77.25,62.7 77,62.45 77,60.14 76.56,59.7 52.19,59.7 25.85,86.04 v1(25.85,90.95)